# KiCad board ZVE.kicad_pcb (continued)
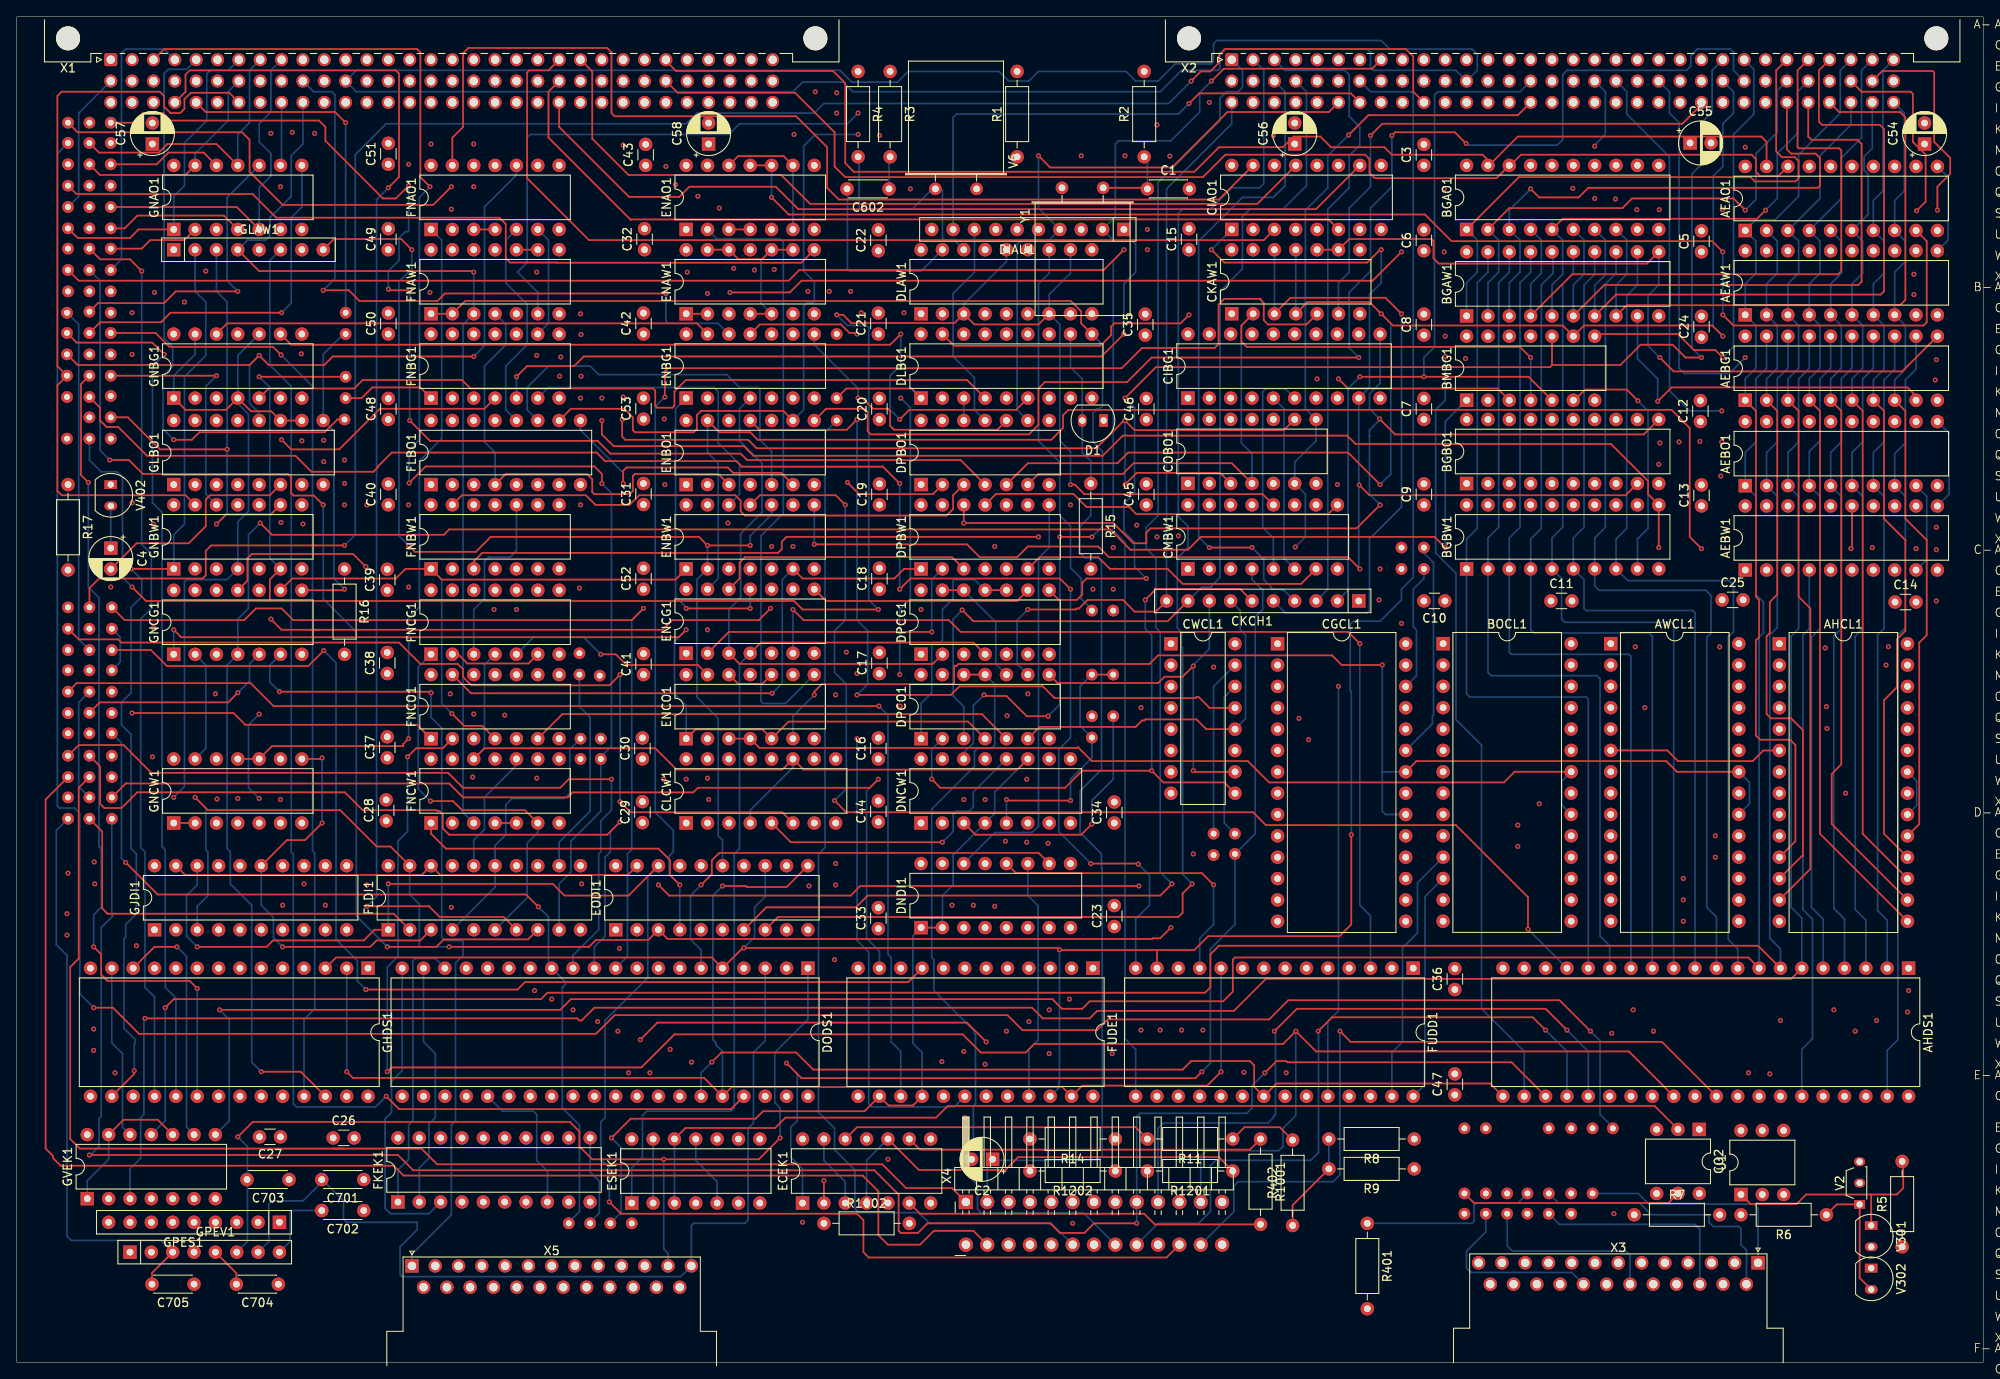
[diagram p0: board, top side]
## Routing (per net, layer and track width the routed paths; a pad name or vN(x,y) marks a point on that pad's centre or on a via; arc(x,y) is an arc through that point) (continued)
  In4.Cu w0.2: ENAO1.5 90.89,135.86 107.74,135.86 DIAU1.10
-SB-RAM-MODE: length 350.3
  Top w0.2: GLAW1.8 37.72,133.61 45.72,133.61 v1(46.99,132.34) ; CKAW1.4 153.54,126.12 160.91,126.12 v1(162.31,124.72) 163.7,123.33 183.9,123.33 BMBG1.9 186.44,123.33 201.68,123.33 v1(202.95,122.06) ; v1(162.18,104.4) 158.37,108.21 132.21,108.21 130.94,106.94 120.27,106.94 DPBO1.5 ; v1(87.25,97.16) v1(82.17,97.16) 81.15,98.18 56.39,98.18 54.61,96.4 47.37,96.4 v1(46.61,97.16)
  In1.Cu w0.2: v1(116.33,97.04) 116.29,97.08 116.29,102.96 DPBO1.5 ; CKAW1.4 150.58,123.16 150.58,113.26 COBO1.10
  In4.Cu w0.2: v1(116.33,97.04) 98.55,97.04 97.54,98.05 88.14,98.05 v1(87.25,97.16)
  Bottom w0.2: v1(162.31,124.72) 163.45,123.58 163.45,105.67 v1(162.18,104.4) ; CKAW1.4 CKAW1.11 ; v1(46.99,132.34) 46.99,130.06 45.47,128.53 45.47,98.31 v1(46.61,97.16) ; v1(82.17,97.16) ENBW1.2 80.9,93.1 80.9,79.13 83.44,76.59 83.44,62.62 83.95,62.11 EODI1.15 ; X2.b24 204.22,151.14 204.22,148.6 202.95,147.33 202.95,142.25 201.8,141.11 201.8,123.2 v1(202.95,122.06) ; ENBW1.10 89.79,100.85 87.25,98.31 v1(87.25,97.16)
-SB-RAM-RD: length 106.2
  Top w0.2: v1(164.72,124.72) 162.81,126.63 151.51,126.63 CKAW1.3
  In1.Cu w0.2: X2.a6 155.96,153.68 155.96,151.77 155.32,151.14 149.1,151.14 148.46,150.5 148.46,133.49 CKAW1.12 CKAW1.13
  Bottom w0.2: v1(164.72,124.72) 164.72,101.74 160.91,97.93 160.91,89.42 160.65,89.16 150.88,89.16 CKCH1.5 ; CKAW1.3 CKAW1.12
-SBNMI: length 37.1
  Top w0.2: v1(31.5,109.74) 32.64,108.59 38.35,108.59 43.18,113.42 55.63,113.42 FNBG1.4
  In1.Cu w0.2: GNBW1.8 32.77,103.14 32.77,106.69 31.5,107.96 v1(31.5,109.74)
-SEL-EFI: length 204.6
  Top w0.2: 112.65,81.8 115.19,81.8
  In4.Cu w0.2: X4.a8 129.53,12.83 94.62,12.83 92.08,15.38 23.37,15.38 GPEV1.4
  Bottom w0.2: 115.19,81.8 116.33,80.65 116.33,73.42 115.95,73.03 114.3,73.03 113.92,72.65 113.92,70.88 108.84,65.8 108.84,48.14 109.09,47.89 109.09,44.21 113.92,39.38 113.92,39.13 114.05,39 114.05,30.74 113.79,30.49 113.79,26.68 112.39,25.28 112.39,23 114.3,21.09 114.29,21.08 114.29,18.18 114.55,17.92 114.55,17.79 126.87,17.79 X4.a8
-SELECT-INPUT: length 108.1
  In1.Cu w0.2: GNCG1.12 27.64,87.94 27.64,24.18 32.13,19.69 42.16,19.69 43.05,18.81 43.05,16.9 45.72,14.23 45.72,10.17 55.45,10.17 56.7,8.92
-SIL: length 204.1
  In1.Cu w0.2: v1(225.04,44.21) 227.84,44.21 228.35,44.71 v1(228.35,90.56) ; 117.98,19.06 117.98,24.27 118.49,24.77 120.9,24.77 121.67,25.54 121.67,35.57 v1(122.81,36.71)
  In4.Cu w0.2: v1(228.35,90.56) 230.12,90.56 230.76,91.2 230.76,102.88 230.5,103.13 222.12,103.13 AEBW1.14 ; v1(225.04,44.21) 175.13,44.21 173.74,45.6 164.46,45.6 161.54,42.68 134.24,42.68 133.35,41.79 129.16,41.79 128.65,41.28 128.65,37.35 128.02,36.71 v1(122.81,36.71)
-SOL: length 215.1
  Top w0.2: v1(218.19,96.78) 218.31,96.91 AEBW1.15
  In1.Cu w0.2: v1(133.73,39.51) 133.1,38.87 129.41,38.87 129.41,13.34 128.78,12.71 121.79,12.71 X4.a4 ; v1(228.35,99.32) 230.5,99.32 230.76,99.07 230.76,41.79 230.63,41.67 v1(224.92,41.67)
  In4.Cu w0.2: v1(133.73,39.51) 136.27,42.05 163.96,42.05 164.97,43.06 223.52,43.06 v1(224.92,41.67) ; v1(218.19,96.78) 219.46,98.05 227.08,98.05 v1(228.35,99.32)
-STROBE: length 97
  Top w0.2: v1(31.24,79.77) 49.15,79.77 v1(49.28,79.64)
  Bottom w0.2: v1(49.28,79.64) 49.28,76.72 50.55,75.45 50.55,50.56 50.93,50.17 52.96,50.17 53.09,50.05 53.09,48.4 52.2,47.51 52.2,28.71 51.69,28.2 51.69,17.54 47.01,12.85 X5.1 ; GNCG1.6 30.1,82.94 30.1,80.91 v1(31.24,79.77)
-SW-CS: length 166.1
  Top w0.2: v1(202.95,124.6) 204.22,123.33 226.82,123.33 227.2,123.71 227.2,133.36 AEAO1.9 ; ENAO1.10 ENAO1.11 ; v1(89.79,138.57) 91.82,136.53 167.51,136.53 170.69,133.36 201.68,133.36 v1(202.95,132.09)
  Bottom w0.2: ENAO1.10 v1(89.79,138.57) ; v1(202.95,124.6) v1(202.95,132.09)
-TEST: length 241.1
  Top w0.2: v1(133.22,16.52) 128.14,16.52 127,15.38 124.08,15.38 122.94,16.52 108.33,16.52 107.19,15.38 105.16,15.38 104.9,15.63 104.9,19.95 102.02,22.83 47.16,22.83 45.34,24.65 v1(8.64,24.65) ; AHDS1.23 177.82,35.68 151.15,35.68 151,35.82 149.86,35.82 v1(148.46,34.43)
  Bottom w0.2: 8.64,24.52 9.78,25.66 9.78,28.97 10.03,29.22 10.03,51.7 11.43,53.1 11.3,53.22 X911.1 ; v1(148.46,34.43) 146.94,32.9 146.94,30.24 146.3,29.6 133.6,29.6 133.22,29.22 v1(133.22,16.52)
-XACK: length 81.4
  Top w0.2: v1(77.22,127.14) 50.93,127.14 50.04,126.25 40.77,126.25 39.5,127.52 v1(36.45,127.52)
  Bottom w0.2: v1(77.22,127.14) 77.22,123.83 77.47,123.58 83.44,123.58 ENBG1.12 ; v1(36.45,127.52) 37.85,128.91 37.85,150.76 37.47,151.14 35.31,151.14 X1.b10
-ZPS-CS: length 53.4
  Top w0.2: v1(202.95,119.52) 202.06,120.41 199.52,120.41 197.61,122.31 188.09,122.31
  Bottom w0.2: v1(202.95,119.52) 204.22,120.79 204.22,146.06 206.63,148.47 206.63,153.81 X2.a25
-ZPS-NMI: length 140.7
  Top w0.2: X2.a8 161.23,153.87 143.58,153.87 v1(142.11,152.41) ; v1(131.7,122.31) 129.03,119.64 67.44,119.64 66.29,118.5 60.71,118.5 v1(59.44,117.23)
  Bottom w0.2: v1(142.11,152.41) 140.72,151.01 140.72,148.73 137.29,145.3 131.06,145.3 130.68,144.92 130.68,136.28 DIAU1.2 130.56,133.36 132.71,133.36 133.1,132.98 133.1,129.68 131.7,128.28 v1(131.7,122.31) ; FNBG1.5 v1(59.44,117.23)
-ZPS-PR: length 89.5
  Top w0.2: v1(120.27,89.54) 125.98,89.54 126.11,89.67 126.36,89.67 127.38,90.69 131.57,90.69 132.97,89.29 135.51,89.29 CKCH1.10
  Bottom w0.2: CKCH1.10 136.78,139.58 144.53,147.33 X2.c1 ; v1(120.27,89.54) 119,88.27 119,82.94 119.13,82.94 120.27,81.8
/Blatt 1/-ARLOCK: length 14.8
  Bottom w0.2: FLDI1.16 54.36,62.11 55.63,63.38 55.63,67.19 59.44,71 FNCW1.10
/Blatt 1/AD0: length 100.4
  Bottom w0.2: AHDS1.16 186.94,78.88 186.69,79.13 172.85,79.13 172.47,79.51 BGBW1.1 172.47,97.93 173.74,99.2 173.74,128.41 175.01,129.68 BGAW1.19
/Blatt 1/AD1: length 99.6
  Bottom w0.2: BGAW1.18 177.55,129.68 176.28,128.41 176.28,99.32 175.01,98.05 BGBW1.2 175.01,82.05 175.39,81.67 187.96,81.67 188.34,81.29 188.34,50.68 189.48,49.54 AHDS1.15
/Blatt 1/AD2: length 100.4
  Bottom w0.2: BGAW1.17 180.09,129.68 178.82,128.41 178.82,99.32 177.55,98.05 BGBW1.3 177.55,84.46 177.8,84.21 191.77,84.21 192.02,83.96 AHDS1.14
/Blatt 1/AD3: length 100.4
  Bottom w0.2: AHDS1.13 194.56,86.37 194.18,86.75 180.47,86.75 180.09,87.13 BGBW1.4 180.09,97.93 181.36,99.2 181.36,128.15 182.75,129.55 182.75,132.09
/Blatt 1/AD4: length 99.7
  Bottom w0.2: BGAW1.15 185.17,129.55 183.9,128.28 183.9,99.32 182.63,98.05 BGBW1.5 183.77,93.23 183.77,88.4 184.15,88.02 196.85,88.02 197.1,87.77 AHDS1.12
/Blatt 1/AD5: length 99.7
  Bottom w0.2: BGAW1.14 187.71,129.42 186.44,128.15 186.44,99.32 185.17,98.05 BGBW1.6 186.44,93.1 186.44,89.67 186.69,89.42 199.39,89.42 199.64,89.16 AHDS1.11
/Blatt 1/AD6: length 100.1
  Bottom w0.2: BGAW1.13 190.25,129.55 188.98,128.28 188.98,99.32 187.71,98.05 BGBW1.7 187.71,92.34 188.21,91.83 200.91,91.83 201.55,91.2 201.55,86.75 201.04,86.24 201.04,54.11 202.18,52.97 202.18,46.87
/Blatt 1/AD7: length 99.9
  Bottom w0.2: BGAW1.12 192.79,128.15 191.52,126.88 191.52,99.2 190.25,97.93 BGBW1.8 191.64,92.97 203.71,92.97 204.22,92.47 204.22,86.88 203.58,86.24 203.58,50.3 204.72,49.16 AHDS1.9
/Blatt 1/AD10: length 76.8
  In1.Cu w0.2: 205.61,94.12 206.88,92.85 206.88,49.16 205.99,48.27 v1(205.99,34.43)
  In4.Cu w0.2: v1(205.99,34.43) 207.26,35.7 215.9,35.7 AHDS1.38
/Blatt 1/AD11: length 71
  In1.Cu w0.2: v1(208.53,34.3) 207.77,35.06 207.77,44.97 208.53,45.73 208.53,77.48 207.77,78.24 207.77,87.51 208.15,87.89 AEBW1.2
  In4.Cu w0.2: AHDS1.37 214.76,34.3 v1(208.53,34.3)
/Blatt 1/AD12: length 64.4
  In1.Cu w0.2: AHDS1.36 214.88,41.79 213.74,42.94 213.74,42.98 213.78,43.02 213.78,74.39 211.58,76.59 211.58,89.16 210.69,90.05 AEBW1.3
/Blatt 1/AD13: length 63.9
  Bottom w0.2: AHDS1.35 212.34,37.22 213.61,38.49 213.61,52.71 212.47,53.86 212.47,86.5 213.23,87.26 AEBW1.4
/Blatt 1/BHE/S7: length 171.3
  In1.Cu w0.2: v1(202.56,85.1) 201.42,86.24 201.42,91.45 202.69,92.72 v1(202.69,105.42) ; AEBW1.8 223.39,93.48 222.25,92.34 222.25,85.51 v1(222.65,85.12) 221.62,84.08 221.62,49.29 221.23,48.9 v1(221.23,40.65) ; v1(209.8,40.65) AHDS1.34
  In4.Cu w0.2: v1(202.69,105.42) 202.47,105.64 150.58,105.64 COBO1.5 ; v1(222.65,85.12) 218.84,85.12 217.81,84.08 203.58,84.08 v1(202.56,85.1) ; v1(221.23,40.65) v1(209.8,40.65)
/Blatt 1/LBC-DEN: length 83
  In1.Cu w0.2: v1(94.23,56.65) 94.11,56.78 94.11,56.91 92.84,58.18 92.84,62.49 93.73,63.38 93.73,76.21 96.14,78.62 96.14,118.5 ENBG1.9
  In4.Cu w0.2: v1(94.23,56.65) 86.74,56.65 85.47,57.92 82.55,57.92 EODI1.16
/Blatt 1/LBC-DT/R: length 189.8
  Top w0.2: CKAW1.5 153.42,123.45 148.84,123.45 148.34,123.96 148.34,125.99 147.95,126.37 147.95,126.5 143.64,126.5 142.96,125.82 142.96,121.12 142.49,120.66 133.86,120.66 131.44,118.25 77.47,118.25 77.09,117.87 v1(77.09,114.82) ; FNCW1.1 49.28,62.87 51.05,61.1 76.33,61.1 77.72,59.7 77.72,57.92 v1(78.87,56.78)
  Bottom w0.2: 76.96,114.69 75.95,113.67 75.95,65.41 78.11,63.26 78.11,60.72 77.6,60.21 77.6,58.05 v1(78.87,56.78) EODI1.4
/Blatt 1/LBC-INTA: length 36.7
  In1.Cu w0.2: EODI1.14 86.49,61.22 88.39,63.13 88.39,92.97 ENBW1.5
/Blatt 1/LBC-MCE: length 30.9
  In1.Cu w0.2: EODI1.17 78.87,62.24 78.11,63 78.11,66.3 79.63,67.83 v1(79.63,69.35)
  In4.Cu w0.2: v1(79.63,69.35) 75.95,73.03 63.25,73.03 FNCW1.9
/Blatt 1/SBC-DEN: length 124.5
  In1.Cu w0.2: v1(67.18,56.91) 69.47,59.19 69.47,69.99 70.87,71.38 70.87,106.05 76.07,111.26 76.07,131.2 ENAO1.1
  In4.Cu w0.2: v1(67.18,56.91) 46.61,56.91 45.55,57.96 27.64,57.96 GJDI1.16
/Blatt 2/PC0: length 87.6
  In1.Cu w0.2: v1(58.04,76.97) 58.04,51.29 61.09,48.24 DODS1.14
  In4.Cu w0.2: X929.1 7.49,73.42 8.25,73.42 8.38,73.29 48,73.29 48.22,73.08 57.57,73.08 58.04,73.54 v1(58.04,76.97)
/Blatt 2/PC1: length 66.7
  In1.Cu w0.2: v1(14.22,49.54) 14.22,66.68 X909.1
  In4.Cu w0.2: DODS1.15 57.4,48.02 18.03,48.02 16.51,49.54 v1(14.22,49.54)
/Blatt 2/PC2: length 72.3
  In1.Cu w0.2: v1(54.23,69.61) 55.8,68.04 55.8,47.08
  In4.Cu w0.2: v1(54.23,69.61) 15.62,69.61 14.35,68.34 7.24,68.34 X932.1
/Blatt 2/PC3: length 77
  In1.Cu w0.2: 53.09,47.25 53.09,75.83 v1(54.36,77.1)
  In4.Cu w0.2: v1(54.36,77.1) 53.21,75.96 9.78,75.96 X918.1
/Blatt 2/PC4: length 107.2
  Top w0.2: v1(12.95,59.45) 16.76,55.64 60.58,55.64 v1(62.04,54.17)
  Bottom w0.2: DODS1.13 65.28,45.22 65.28,44.97 64.9,44.59 64.9,30.24 66.93,28.2 66.93,17.92 65.66,16.65 ; X907.1 12.45,73.67 12.45,59.95 v1(12.95,59.45) ; 63.25,47.25 63.25,52.97 v1(62.04,54.17)
/Blatt 2/PC5: length 92.1
  Top w0.2: X930.1 7.37,73.42 12.7,73.42 16,70.11 51.31,70.11 53.09,68.34 64.64,68.34 65.66,69.35 v1(70.74,69.35)
  Bottom w0.2: v1(70.74,69.35) 70.74,65.67 69.47,64.4 69.47,60.72 69.22,60.46 69.22,51.44 66.17,48.4 DODS1.12
/Blatt 2/PC6: length 91.4
  Top w0.2: v1(71.75,64.27) 70.23,62.75 51.44,62.75 50.67,63.51 50.67,65.16 50.29,65.54 50.04,65.54 49.91,65.67 41.15,65.67 39.02,67.79 14.32,67.79 12.45,65.92 10.41,65.92 9.91,66.43 9.91,70.88 X919.1
  Bottom w0.2: DODS1.11 68.71,49.41 69.98,50.68 69.98,60.08 70.61,60.72 70.61,63.13 v1(71.75,64.27)
/Blatt 2/PC7: length 109.8
  Top w0.2: v1(74.55,89.67) 73.15,88.27 32.89,88.27 31.5,89.67 28.45,89.67 27.05,88.27 12.83,88.27 X901.1
  Bottom w0.2: DODS1.10 72.64,48.27 72.64,60.46 73.15,60.97 73.15,88.27 v1(74.55,89.67)
AB0: length 180.5
  In1.Cu w0.2: BGBW1.19 BGBO1.1 173.74,105.8 173.74,113.17 BMBG1.2 173.74,115.71 173.74,153.17 174.24,153.68 181.36,153.68 X2.a16
  In4.Cu w0.2: FNBW1.6 61.98,95.89 64.39,98.31 73.41,98.31 74.42,99.32 81.91,99.32 83.19,100.59 173.61,100.59 BGBW1.19
AB1: length 330.7
  In1.Cu w0.2: FUDE1.19 119.06,35.38 119.06,60.78 v1(120.14,61.86) ; v1(178.56,61.35) 176.28,63.64 176.28,97.04 177.55,98.31 BGBW1.18 BGBO1.2 176.28,105.8 176.28,146.69 178.82,149.23 178.82,150.5 179.45,151.14 181.36,151.14 X2.b16 ; FUDD1.12 138.18,58.68 v1(139.95,60.46) ; v1(72.77,34.43) 72.77,45.86 DODS1.9
  In4.Cu w0.2: FUDE1.19 113.79,33.16 74.04,33.16 v1(72.77,34.43) 45.97,34.43 44.83,33.28 40.89,33.28 GHDS1.27 ; v1(120.14,61.86) 121.41,60.59 135.25,60.59 136.4,61.73 138.68,61.73 v1(139.95,60.46) 141.22,61.73 147.45,61.73 148.33,62.61 CGCL1.10 155.71,62.61 156.97,61.35 166.5,61.35 167.76,62.61 174.76,62.61 176.02,61.35 v1(178.56,61.35) 186.82,61.35 188.08,62.61 195.08,62.61 196.34,61.35 206.5,61.35 207.77,62.62 207.78,62.61 AHCL1.10
AB2: length 270.5
  In1.Cu w0.2: X2.c16 178.82,146.06 178.82,105.8 BGBO1.3 BGBW1.17 180.09,98.43 178.69,97.04 178.69,64.02 v1(178.56,63.89) ; v1(75.31,34.43) 75.31,45.86 DODS1.8 ; FUDE1.20 117.86,32.76 121.67,36.57 121.67,60.72 v1(122.68,61.73)
  In4.Cu w0.2: v1(122.68,61.73) 133.73,61.73 136.14,64.14 147.45,64.14 148.45,65.15 CGCL1.9 155.71,65.15 156.97,63.89 166.5,63.89 167.76,65.15 174.74,65.15 174.75,65.16 176.02,63.89 v1(178.56,63.89) 186.82,63.89 188.09,65.16 188.1,65.15 195.08,65.15 196.34,63.89 206.5,63.89 207.77,65.16 207.78,65.15 AHCL1.9 ; FUDE1.20 115.7,33.79 106.05,33.79 105.41,34.43 94.36,34.43 93.73,33.79 75.95,33.79 v1(75.31,34.43)
AB3: length 200.1
  In1.Cu w0.2: v1(181.1,66.43) 181.36,66.68 181.36,96.91 182.63,98.18 BGBW1.16 BGBO1.4 181.36,105.8 181.36,146.44 183.77,148.85 183.77,153.55 X2.a17 ; v1(115.19,66.94) 113.92,65.67 113.92,63 115.19,61.73 DNDI1.13
  In4.Cu w0.2: v1(115.19,66.94) 116.59,65.54 146.43,65.54 148.58,67.69 CGCL1.8 155.71,67.69 156.97,66.43 166.5,66.43 167.76,67.69 174.76,67.69 176.02,66.43 v1(181.1,66.43) 186.82,66.43 188.08,67.69 195.08,67.69 196.34,66.43 206.5,66.43 207.77,67.7 207.78,67.69 AHCL1.8
AB4: length 201.4
  In1.Cu w0.2: DNDI1.3 112.65,56.52 111.38,57.79 111.38,65.67 v1(112.65,66.94) ; AWCL1.7 186.31,73.54 186.31,97.42 185.17,98.56 BGBW1.15 BGBO1.5 183.9,105.8 183.9,145.42 185.17,146.69 X2.c17
  In4.Cu w0.2: v1(112.65,66.94) 113.92,68.21 135.38,68.21 136.14,68.97 147.45,68.97 148.4,69.92 148.41,69.92 148.72,70.23 CGCL1.7 155.71,70.23 156.97,68.97 166.5,68.97 167.76,70.23 174.76,70.23 176.02,68.97 186.82,68.97 188.08,70.23 195.08,70.23 196.34,68.97 206.5,68.97 207.77,70.24 207.78,70.23 AHCL1.7
AB5: length 234.5
  Top w0.2: AWCL1.6 196.34,72.78 197.61,71.51 206.5,71.51 207.76,72.77 AHCL1.6
  In1.Cu w0.2: v1(82.17,69.48) 80.9,70.75 80.9,83.07 ENCG1.1 ; 188.09,155.07 186.44,153.42 186.44,105.8 BGBO1.6 BGBW1.14 187.71,98.56 188.98,97.29 188.98,87.05 188.51,86.58 188.51,73.88 AWCL1.6
  In4.Cu w0.2: 189.35,72.77 188.08,72.77 186.82,71.51 176.02,71.51 174.76,72.77 167.76,72.77 166.5,71.51 156.97,71.51 155.7,72.78 155.69,72.77 CGCL1.6 148.71,72.77 147.57,71.64 129.79,71.64 128.78,70.62 112.65,70.62 110.11,68.08 101.35,68.08 99.95,69.48 v1(82.17,69.48)
AB6: length 196.4
  In1.Cu w0.2: DPBW1.4 116.33,93.23 116.33,78.37 v1(117.79,76.91) ; v1(187.71,144.66) 188.98,143.39 188.98,105.8 BGBO1.7 BGBW1.13 190.25,98.56 191.39,97.42 191.39,77.1 AWCL1.5
  In4.Cu w0.2: AHCL1.5 207.78,75.31 207.77,75.32 206.5,74.05 196.34,74.05 195.08,75.31 188.08,75.31 186.82,74.05 176.02,74.05 174.76,75.31 167.76,75.31 166.5,74.05 156.97,74.05 155.71,75.31 CGCL1.5 148.73,75.31 147.45,76.59 136.27,76.59 135.25,75.57 119.13,75.57 v1(117.79,76.91)
  Bottom w0.2: 187.71,144.79 188.98,146.06 188.98,151.14 X2.b18
AB7: length 184.9
  In1.Cu w0.2: BGBW1.12 192.79,98.82 193.93,97.67 193.93,78.11 v1(193.68,77.86) ; DPBW1.5 118.87,93.23 118.87,80.91 v1(120.27,79.51) ; 192.78,102 BGBO1.8 191.52,105.8 191.52,143.65 187.71,147.46 X2.c18
  In4.Cu w0.2: AHCL1.4 207.76,77.85 206.5,76.59 196.34,76.59 195.07,77.86 v1(193.68,77.86) 193.17,77.86 193.16,77.85 188.08,77.85 186.82,76.59 176.02,76.59 174.76,77.85 167.76,77.85 166.5,76.59 156.97,76.59 155.71,77.85 CGCL1.4 148.47,77.85 147.32,79 147.32,79.13 132.33,79.13 131.95,79.51 v1(120.27,79.51)
AB8: length 196.6
  In1.Cu w0.2: CIBG1.1 140.59,113.42 140.59,107.71 143.13,105.17 143.13,103.26 CMBW1.14 144.4,96.66 145.67,95.39 145.67,92.48 145.67,92.47 145.67,88.28 146.18,87.77 146.18,84.2 CGCL1.3 ; X2.a19 188.98,153.68 188.98,147.46 192.53,143.9 193.68,143.9 194.06,143.52 194.06,110.88 194.31,110.63 206.88,110.63 AEBO1.19 209.42,110.63 209.42,87.77 208.41,86.75 208.41,81.66 AHCL1.3
  In4.Cu w0.2: AHCL1.3 207.78,80.39 207.77,80.4 206.5,79.13 196.34,79.13 195.08,80.39 188.08,80.39 186.82,79.13 176.02,79.13 174.75,80.4 174.12,80.4 174.11,80.39 167.76,80.39 166.5,79.13 155.7,79.13 154.44,80.39 CGCL1.3
AB9: length 209.5
  In1.Cu w0.2: CGCL1.25 158.24,84.83 158.24,103.26 v1(157.1,104.4) ; 202.95,113.17 209.42,113.17 AEBO1.18 211.96,110.63 211.96,91.32 212.85,90.43 212.85,80.4 v1(215.26,77.99) ; CIBG1.2 143.13,113.42 143.13,107.71 145.67,105.17 145.67,103.26 CMBW1.13
  In4.Cu w0.2: CMBW1.13 148.04,103.09 155.79,103.09 v1(157.1,104.4) ; AHCL1.25 215.4,77.85 v1(215.26,77.99) 214.12,79.13 207.77,79.13 206.49,77.85 196.35,77.85 195.07,79.13 188.09,79.13 186.81,77.85 176.03,77.85 174.75,79.13 167.77,79.13 166.49,77.85 CGCL1.25
  Bottom w0.2: X2.b19 191.52,151.14 191.52,148.47 196.6,143.39 196.6,115.58 199.01,113.17 v1(202.82,113.17)
AB10: length 244.1
  In1.Cu w0.2: v1(134.49,134.76) 133.1,133.36 133.1,131.96 133.14,131.92 133.14,99.66 v1(133.22,99.58) 133.22,84.46 CWCL1.3 ; v1(225.68,129.42) 224.66,130.44 224.66,137.42 222.12,139.96 222.12,152.92 221.36,153.68 199.01,153.68 199.01,153.81 X2.a22
  In4.Cu w0.2: CIAO1.4 151.05,135.86 148.17,135.86 CIAO1.2 145.92,135.9 144.53,135.9 144.48,135.94 135.68,135.94 v1(134.49,134.76) ; v1(133.22,99.58) 133.6,99.96 206.25,99.96 AEBW1.19 209.3,103.01 209.3,108.72 209.68,109.1 221.74,109.1 222.12,109.48 222.12,125.87 v1(225.68,129.42)
AB11: length 240.7
  In1.Cu w0.2: v1(134.49,132.34) 135.51,131.33 135.51,98.31 v1(135.64,98.18) 135.64,84.59 CWCL1.2 ; v1(225.68,127.01) 222.12,130.57 222.12,137.3 219.58,139.84 219.58,150.38 218.82,151.14 199.14,151.14 X2.b22
  In4.Cu w0.2: v1(225.68,127.01) 224.66,125.99 224.66,108.85 223.77,107.96 212.6,107.96 212.09,107.45 212.09,103.26 AEBW1.18 208.28,99.45 136.91,99.45 v1(135.64,98.18) ; CIAO1.7 158.67,135.86 155.79,135.86 CIAO1.5 153.42,133.49 135.64,133.49 v1(134.49,132.34)
AB12: length 249.2
  In1.Cu w0.2: v1(137.16,143.48) 137.16,99.32 v1(138.18,98.31) 138.18,86.34 CWCL1.1 ; v1(228.22,116.85) 227.04,116.85 222.12,121.77 222.12,127.77 219.58,130.31 219.58,137.04 217.04,139.58 217.04,147.96 216.53,148.47 198.12,148.47 197.87,148.73 X2.c22
  In4.Cu w0.2: v1(138.18,98.31) 138.68,98.82 210.19,98.82 AEBW1.17 214.5,103.13 214.5,106.31 214.88,106.69 226.19,106.69 227.08,107.58 227.08,115.58 228.35,116.85 ; v1(137.16,143.48) 145.33,143.48 145.67,143.14 145.67,141.11 145.8,140.98 155.83,140.98 CIAO1.11 158.37,143.52 161.16,143.52 CIAO1.9
AB13: length 354.7
  In1.Cu w0.2: FNCO1.5 60.54,75.28 60.54,88.44 v1(59.44,89.54) ; v1(130.43,91.96) v1(130.43,96.91) 130.43,142.12 v1(131.83,143.52) ; X2.a23 201.55,156.09 224.03,156.09 224.66,155.46 224.66,141.11 227.37,138.4 227.37,130.14 229.57,127.94 229.57,120.49 v1(228.35,119.26) ; DPCG1.1 v1(107.57,89.54)
  In4.Cu w0.2: v1(130.43,91.96) 129.16,90.69 111.51,90.69 110.36,89.54 v1(107.57,89.54) 105.28,89.54 104.14,90.69 93.6,90.69 92.33,91.96 91.19,90.81 72.14,90.81 70.87,89.54 v1(59.44,89.54) ; v1(130.43,96.91) 139.06,96.91 139.32,97.16 139.57,97.16 140.59,98.18 212.09,98.18 AEBW1.16 217.04,103.13 217.04,105.04 217.55,105.55 229.23,105.55 229.62,105.93 229.62,117.99 v1(228.35,119.26) ; CIAO1.12 153.54,143.52 150.75,143.52 CIAO1.14 147.19,144.79 133.1,144.79 v1(131.83,143.52)
ABA: length 214
  In1.Cu w0.2: v1(215.33,75.38) 216.28,76.34 216.28,80.15 214.5,81.92 214.5,110.63 AEBO1.17 211.96,113.17 211.96,115.71 211.58,116.09 198.12,116.09 196.85,117.36 196.85,144.03 196.21,144.66 193.17,144.66 190.25,147.58 X2.c19 ; v1(152.53,76.59) 152.53,87 150.75,88.78 150.75,100.72 CMBW1.11 150.75,103.26 150.75,105.17 145.67,110.25 145.67,113.42 CIBG1.3
  In4.Cu w0.2: v1(152.53,76.59) 155.7,76.59 156.98,75.31 CGCL1.24 166.49,75.31 167.77,76.59 174.75,76.59 176.03,75.31 186.81,75.31 188.09,76.59 195.07,76.59 196.35,75.31 206.49,75.31 207.77,76.59 214.12,76.59 v1(215.33,75.38) 215.4,75.31 AHCL1.24
ABB: length 226.6
  In1.Cu w0.2: CGCL1.21 155.83,77.08 155.83,100.72 CMBW1.10 153.29,103.26 153.29,105.04 148.21,110.12 148.21,113.42 CIBG1.4 ; X2.a20 191.52,153.68 191.52,147.58 193.55,145.55 196.72,145.55 197.87,144.41 197.87,118.25 199.14,116.98 213.36,116.98 214.33,116 214.33,113.34 AEBO1.16 216.92,110.75 216.92,93.86 218.06,92.72 218.06,68.2 v1(217.55,67.69)
  In4.Cu w0.2: CGCL1.21 166.49,67.69 167.77,68.97 174.75,68.97 176.03,67.69 186.81,67.69 188.09,68.97 195.07,68.97 196.35,67.69 206.49,67.69 207.77,68.97 214.12,68.97 215.4,67.69 v1(217.55,67.69) AHCL1.21
ABC: length 209.4
  In1.Cu w0.2: CMBW1.6 153.29,93.1 153.29,82.69 153.67,82.31 v1(153.67,74.05) ; v1(220.73,96.91) 219.58,98.05 219.58,110.63 AEBO1.15 217.17,113.04 217.17,115.96 215.39,117.74 199.77,117.74 199.14,118.37 199.14,140.73 200.41,142 200.41,146.19 200.02,146.57 194.06,146.57 192.79,147.84 X2.c20
  In4.Cu w0.2: CWCL1.5 141.11,75.31 142.37,74.05 v1(153.67,74.05) ; v1(220.73,96.91) 219.58,95.77 204.34,95.77 202.95,94.37 197.49,94.37 196.34,95.51 166.12,95.51 X717.1 163.32,95.51 153.16,95.51 CMBW1.6
  Bottom w0.2: CMBW1.6 150.75,95.64 150.75,113.42 CIBG1.5
ABD: length 236.1
  In1.Cu w0.2: v1(142.37,82.69) 142.37,77.84 CWCL1.6 ; CGCL1.2 148.08,84.83 148.08,92.97 CMBW1.5 ; X2.a21 193.93,153.55 193.93,147.96 194.69,147.2 202.56,147.2 202.82,146.95 202.82,142.25 201.68,141.11 201.68,118.75 202.06,118.37 217.68,118.37 219.58,116.47 219.58,113.17 AEBO1.14 222,110.75 222,99.2 224.66,96.53 224.66,88.66 223.52,87.51 223.52,84.08 v1(222.37,82.93)
  In4.Cu w0.2: v1(142.37,82.69) 143.89,84.21 148.7,84.21 CGCL1.2 155.08,82.93 156.34,81.67 166.5,81.67 167.76,82.93 174.76,82.93 176.02,81.67 186.82,81.67 188.08,82.93 195.08,82.93 196.34,81.67 206.5,81.67 207.77,82.94 207.78,82.93 AHCL1.2 v1(222.37,82.93)
  Bottom w0.2: CMBW1.5 149.48,98.05 148.21,99.32 148.21,115.45 148.55,115.79 150.92,115.79 CIBG1.6
ABE: length 230.4
  In1.Cu w0.2: CMBW1.3 143.13,93.1 143.13,85.73 143.51,85.35 143.51,76.44 CWCL1.7 ; v1(225.93,96.78) 224.66,98.05 224.66,110.63 AEBO1.13 222.12,113.17 222.12,115.58 218.19,119.52 v1(205.61,119.52) ; CIBG1.7 155.83,115.96 162.81,115.96 163.45,115.33 163.45,95.64 v1(162.18,94.37)
  In4.Cu w0.2: v1(225.93,96.78) 227.08,95.64 227.08,93.1 226.06,92.08 192.28,92.08 191.26,93.1 163.45,93.1 v1(162.18,94.37) 160.91,93.1 145.67,93.1 CMBW1.3
  Bottom w0.2: X2.b21 196.6,151.14 196.6,148.6 197.74,147.46 197.74,118.25 198.37,117.61 203.71,117.61 v1(205.61,119.52)
ABF: length 220.7
  In1.Cu w0.2: X2.c21 195.33,148.09 195.58,147.84 214.12,147.84 214.5,147.46 214.5,139.46 217.04,136.92 217.04,129.93 219.58,127.39 219.58,120.91 224.66,115.83 224.66,113.17 AEBO1.12 227.2,110.63 227.2,97.8 v1(228.35,96.66) ; CMBW1.2 140.59,93.1 140.59,85.61 141.22,84.97 141.22,81.77 CWCL1.4 ; v1(162.05,90.69) 160.91,91.83 160.91,107.83 157.1,111.64 CIBG1.8
  In4.Cu w0.2: CMBW1.2 144.27,91.96 144.27,91.83 160.91,91.83 v1(162.05,90.69) 163.19,91.83 189.74,91.83 192.4,89.16 226.69,89.16 227.08,89.54 227.08,91.58 228.22,92.72 229.23,92.72 229.62,93.1 229.62,95.26 229.36,95.51 229.23,95.51 228.35,96.4 v1(228.35,96.66)
AD8: length 282.8
  Top w0.2: AHDS1.8 205.99,48.14 144.91,48.14 144.65,47.89 144.65,44.08 143.51,42.94 127.64,42.94 126.75,42.05 124.33,42.05 123.19,43.19 65.91,43.19 64.64,41.92 v1(24.13,41.92)
  Bottom w0.2: GVEK1.8 25.27,28.72 25.27,40.78 v1(24.13,41.92) ; AEBG1.19 208.15,118.25 206.88,116.98 206.88,109.48 205.61,108.21 AEBO1.1 206.88,103.01 206.88,91.32 207.77,90.43 207.77,86.75 207.26,86.24 AHDS1.8
AD9: length 292.1
  Top w0.2: AHDS1.7 207.14,49.54 143,49.54 141.99,48.52 141.99,44.59 141.35,43.95 63.12,43.95 62.36,43.19 18.67,43.19 v1(17.65,42.17)
  Bottom w0.2: AEBG1.18 210.69,118.25 209.42,116.98 209.42,109.48 208.15,108.21 AEBO1.2 209.42,103.01 209.42,87.39 208.53,86.5 208.53,50.43 209.8,49.16 AHDS1.7 ; GVEK1.11 17.65,28.72 v1(17.65,42.17)
ADA: length 300.5
  Top w0.2: v1(15.24,40.9) 66.67,40.9 66.93,40.65 67.18,40.65 68.71,42.17 120.78,42.17 122.05,40.9 127.64,40.9 128.52,41.79 144.78,41.79 148.59,45.6 211.07,45.6 AHDS1.6
  Bottom w0.2: GVEK1.3 13.46,23 14.73,24.27 14.73,29.09 15.11,29.47 15.11,40.78 ; AHDS1.6 212.34,52.84 211.07,54.11 211.07,86.37 211.96,87.26 211.96,103.01 AEBO1.3 210.69,108.21 211.96,109.48 211.96,116.98 213.23,118.25 AEBG1.17
ADB: length 77.8
  Bottom w0.2: AHDS1.5 214.88,52.71 213.49,54.11 213.49,86.24 214.5,87.26 214.5,103.01 AEBO1.4 213.23,108.34 214.5,109.61 214.5,116.98 215.77,118.25 AEBG1.16
ADC: length 77.7
  Bottom w0.2: AHDS1.4 217.42,52.71 216.15,53.98 216.15,86.37 217.04,87.26 217.04,103.01 AEBO1.5 215.77,108.21 217.04,109.48 217.04,116.98 218.31,118.25 AEBG1.15
ADD: length 77.7
  Bottom w0.2: AEBG1.14 220.85,118.25 219.58,116.98 219.58,109.48 218.31,108.21 AEBO1.6 219.58,103.01 219.58,87.26 218.69,86.37 218.69,53.86 219.96,52.59 AHDS1.3
ADE: length 77.6
  Bottom w0.2: AEBG1.13 223.39,118.12 222.12,116.85 222.12,109.48 220.85,108.21 AEBO1.7 222.12,103.01 222.12,87.26 221.36,86.5 221.36,53.73 222.5,52.59 AHDS1.2
ADF: length 92.9
  Bottom w0.2: AEBG1.12 225.93,118.12 224.66,116.85 224.66,109.36 223.39,108.09 AEBO1.8 224.66,103.01 224.66,87.39 223.77,86.5 223.77,38.36 222.5,37.09 AHDS1.39
ADV-IO-ADR: length 31.2
  Top w0.2: DPBW1.3 111.25,95.77 86.61,95.77 85.98,95.13 85.98,93.23 84.71,91.96
